# KiCad board JL-rev1.kicad_pcb (continued)
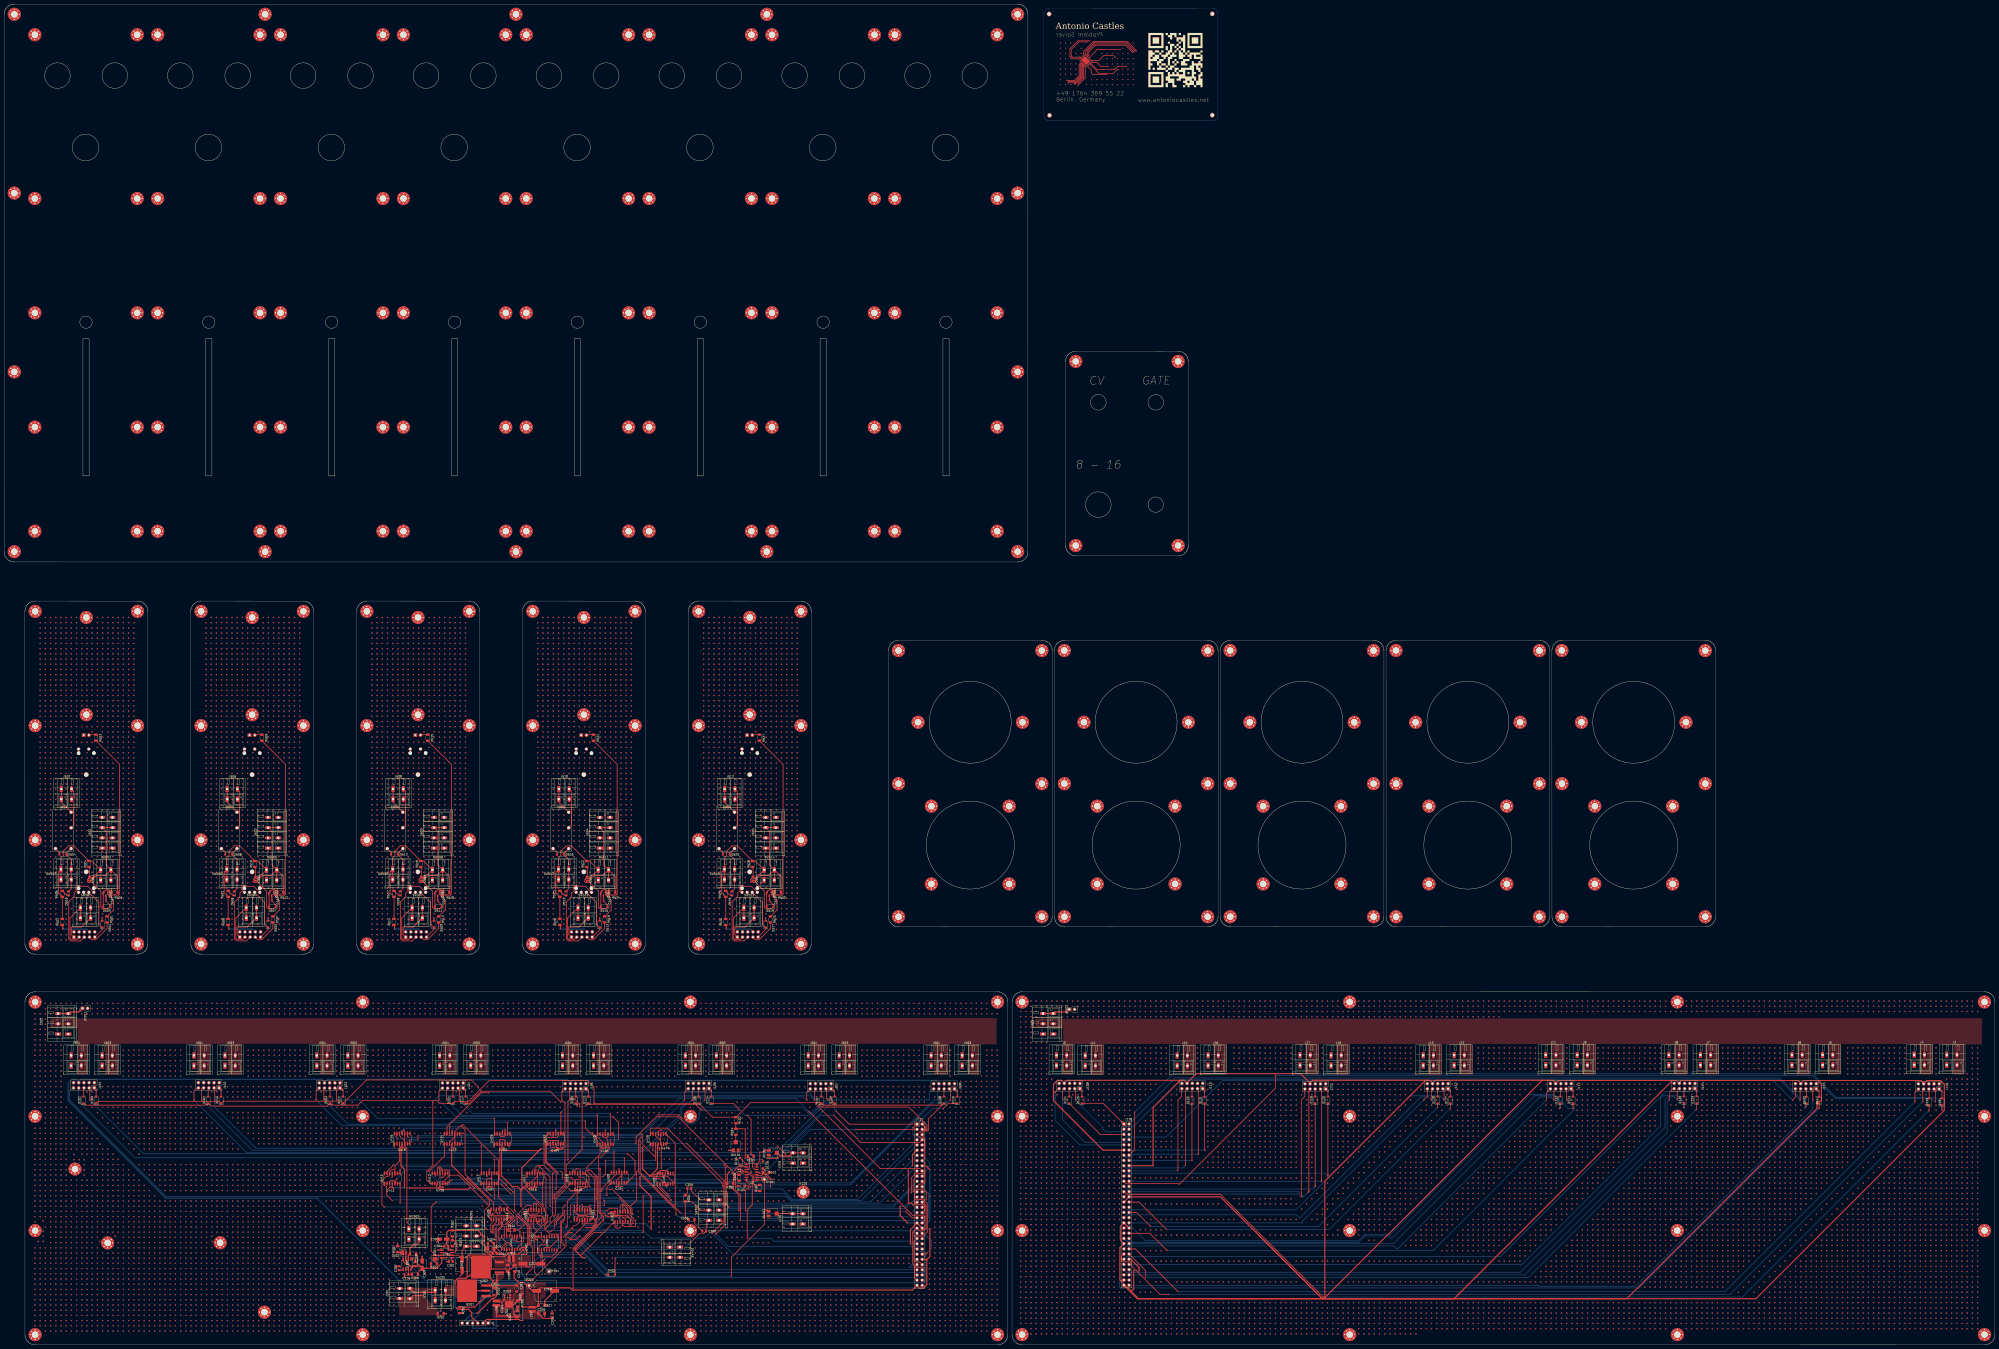
[diagram p0: board, top side]
## Routing (per net, layer and track width the routed paths; a pad name or vN(x,y) marks a point on that pad's centre or on a via; arc(x,y) is an arc through that point) (continued)
  vias: v2(15.09,161.74) v2(15.09,159.2) v2(15.09,156.66) v2(15.09,154.12) v2(15.09,151.58) v2(15.09,149.04) v2(15.09,146.5) v2(15.09,143.96) v2(15.09,141.42) v2(15.09,138.88) v2(15.09,136.34) v2(15.09,133.8) v2(15.09,131.26) v2(15.09,128.72) v2(15.09,126.18) v2(15.09,123.64) v2(15.09,121.1) v2(15.09,118.56) v2(15.09,116.02) v2(15.09,105.86) v2(15.09,103.32) v2(15.09,100.78) v2(15.09,98.24) v2(15.09,95.7) v2(15.09,93.16) v2(15.09,90.62) v2(15.09,88.08) v2(15.09,85.54) v2(15.09,83) v2(15.09,80.46) v2(15.09,77.92) v2(15.09,75.38) v2(15.09,72.84) v2(15.09,70.3) v2(15.09,67.76) v2(15.09,65.22) v2(15.09,62.68) v2(15.09,60.14) v2(15.09,47.44) v2(15.09,44.9) v2(15.09,42.36) v2(15.09,39.82) v2(15.09,37.28) v2(15.09,34.74) v2(15.09,32.2) v2(15.09,29.66) v2(15.09,27.12) v2(15.09,24.58) v2(15.09,22.04) v2(15.09,19.5) v2(15.09,16.96) v2(15.09,14.42) v2(15.09,11.88) v2(15.09,9.34) v2(17.63,161.74) v2(17.63,159.2) v2(17.63,156.66) v2(17.63,154.12) v2(17.63,151.58) v2(17.63,149.04) v2(17.63,146.5) v2(17.63,143.96) v2(17.63,141.42) v2(17.63,138.88) v2(17.63,136.34) v2(17.63,133.8) v2(17.63,131.26) v2(17.63,128.72) v2(17.63,126.18) v2(17.63,123.64) v2(17.63,121.1) v2(17.63,118.56) v2(17.63,116.02) v2(17.63,105.86) v2(17.63,103.32) v2(17.63,100.78) v2(17.63,98.24) v2(17.63,95.7) v2(17.63,93.16) v2(17.63,90.62) v2(17.63,88.08) v2(17.63,85.54) v2(17.63,83) v2(17.63,80.46) v2(17.63,77.92) v2(17.63,75.38) v2(17.63,72.84) v2(17.63,70.3) v2(17.63,67.76) v2(17.63,65.22) v2(17.63,62.68) v2(17.63,47.44) v2(17.63,44.9) v2(17.63,42.36) v2(17.63,39.82) v2(17.63,37.28) v2(17.63,34.74) v2(17.63,32.2) v2(17.63,29.66) v2(17.63,27.12) v2(17.63,24.58) v2(17.63,22.04) v2(17.63,19.5) v2(17.63,16.96) v2(17.63,14.42) v2(17.63,11.88) v2(17.63,9.34) v2(20.17,166.82) v2(20.17,164.28) v2(20.17,161.74) v2(20.17,159.2) v2(20.17,156.66) v2(20.17,154.12) v2(20.17,151.58) v2(20.17,149.04) v2(20.17,146.5) v2(20.17,143.96) v2(20.17,141.42) v2(20.17,138.88) v2(20.17,136.34) v2(20.17,133.8) v2(20.17,131.26) v2(20.17,128.72) v2(20.17,126.18) v2(20.17,123.64) v2(20.17,121.1) v2(20.17,118.56) v2(20.17,116.02) v2(20.17,113.48) v2(20.17,110.94) v2(20.17,108.4) v2(20.17,105.86) v2(20.17,103.32) v2(20.17,100.78) v2(20.17,98.24) v2(20.17,95.7) v2(20.17,93.16) v2(20.17,90.62) v2(20.17,88.08) v2(20.17,85.54) v2(20.17,83) v2(20.17,80.46) v2(20.17,77.92) v2(20.17,75.38) v2(20.17,72.84) v2(20.17,70.3) v2(20.17,67.76) v2(20.17,65.22) v2(20.17,62.68) v2(20.17,57.6) v2(20.17,47.44) v2(20.17,44.9) v2(20.17,42.36) v2(20.17,39.82) v2(20.17,37.28) v2(20.17,34.74) v2(20.17,32.2) v2(20.17,29.66) v2(20.17,27.12) v2(20.17,24.58) v2(20.17,22.04) v2(20.17,19.5) v2(20.17,16.96) v2(20.17,14.42) v2(20.17,11.88) v2(20.17,9.34) v2(20.17,6.8) v2(22.71,166.82) v2(22.71,164.28) v2(22.71,161.74) v2(22.71,146.5) v2(22.71,143.96) v2(22.71,141.42) v2(22.71,138.88) v2(22.71,136.34) v2(22.71,133.8) v2(22.71,131.26) v2(22.71,128.72) v2(22.71,126.18) v2(22.71,123.64) v2(22.71,121.1) v2(22.71,118.56) v2(22.71,116.02) v2(22.71,113.48) v2(22.71,110.94) v2(22.71,108.4) v2(22.71,105.86) v2(22.71,103.32) v2(22.71,100.78) v2(22.71,98.24) v2(22.71,95.7) v2(22.71,93.16) v2(22.71,90.62) v2(22.71,88.08) v2(22.71,85.54) v2(22.71,83) v2(22.71,80.46) v2(22.71,77.92) v2(22.71,75.38) v2(22.71,72.84) v2(22.71,70.3) v2(22.71,67.76) v2(22.71,65.22) v2(22.71,62.68) v2(22.71,60.14) v2(22.71,57.6) v2(22.71,55.06) v2(22.71,52.52) v2(22.71,49.98) v2(22.71,47.44) v2(22.71,44.9) v2(22.71,42.36) v2(22.71,39.82) v2(22.71,37.28) v2(22.71,34.74) v2(22.71,32.2) v2(22.71,29.66) v2(22.71,27.12) v2(22.71,24.58) v2(22.71,22.04) v2(22.71,19.5) v2(22.71,16.96) v2(22.71,14.42) v2(22.71,11.88) v2(22.71,9.34) v2(22.71,6.8) v2(25.25,166.82) v2(25.25,164.28) v2(25.25,146.5) v2(25.25,143.96) v2(25.25,141.42) v2(25.25,138.88) v2(25.25,136.34) v2(25.25,133.8) v2(25.25,131.26) v2(25.25,128.72) v2(25.25,126.18) v2(25.25,123.64) v2(25.25,121.1) v2(25.25,118.56) v2(25.25,116.02) v2(25.25,113.48) v2(25.25,110.94) v2(25.25,108.4) v2(25.25,105.86) v2(25.25,103.32) v2(25.25,100.78) v2(25.25,98.24) v2(25.25,95.7) v2(25.25,93.16) v2(25.25,90.62) v2(25.25,88.08) v2(25.25,85.54) v2(25.25,83) v2(25.25,80.46) v2(25.25,77.92) v2(25.25,75.38) v2(25.25,72.84) v2(25.25,70.3) v2(25.25,67.76) v2(25.25,65.22) v2(25.25,62.68) v2(25.25,60.14) v2(25.25,57.6) v2(25.25,55.06) v2(25.25,52.52) v2(25.25,49.98) v2(25.25,47.44) v2(25.25,44.9) v2(25.25,42.36) v2(25.25,39.82) v2(25.25,37.28) v2(25.25,34.74) v2(25.25,32.2) v2(25.25,29.66) v2(25.25,27.12) v2(25.25,24.58) v2(25.25,22.04) v2(25.25,19.5) v2(25.25,16.96) v2(25.25,14.42) v2(25.25,11.88) v2(25.25,9.34) v2(25.25,6.8) v2(27.79,166.82) v2(27.79,164.28) v2(27.79,146.5) v2(27.79,143.96) v2(27.79,141.42) v2(27.79,138.88) v2(27.79,136.34) v2(27.79,133.8) v2(27.79,131.26) v2(27.79,128.72) v2(27.79,126.18) v2(27.79,123.64) v2(27.79,121.1) v2(27.79,118.56) v2(27.79,116.02) v2(27.79,113.48) v2(27.79,110.94) v2(27.79,108.4) v2(27.79,105.86) v2(27.79,103.32) v2(27.79,100.78) v2(27.79,98.24) v2(27.79,95.7) v2(27.79,93.16) v2(27.79,90.62) v2(27.79,88.08) v2(27.79,85.54) v2(27.79,83) v2(27.79,80.46) v2(27.79,77.92) v2(27.79,75.38) v2(27.79,72.84) v2(27.79,70.3) v2(27.79,67.76) v2(27.79,65.22) v2(27.79,62.68) v2(27.79,60.14) v2(27.79,57.6) v2(27.79,55.06) v2(27.79,52.52) v2(27.79,49.98) v2(27.79,47.44) v2(27.79,44.9) v2(27.79,42.36) v2(27.79,39.82) v2(27.79,37.28) v2(27.79,34.74) v2(27.79,32.2) v2(27.79,29.66) v2(27.79,27.12) v2(27.79,24.58) v2(27.79,22.04) v2(27.79,19.5) v2(27.79,16.96) v2(27.79,14.42) v2(27.79,11.88) v2(27.79,9.34) v2(27.79,6.8) v2(30.33,166.82) v2(30.33,164.28) v2(30.33,116.02) v2(30.33,113.48) v2(30.33,110.94) v2(30.33,108.4) v2(30.33,105.86) v2(30.33,103.32) v2(30.33,100.78) v2(30.33,98.24) v2(30.33,95.7) v2(30.33,93.16) v2(30.33,90.62) v2(30.33,88.08) v2(30.33,85.54) v2(30.33,83) v2(30.33,80.46) v2(30.33,77.92) v2(30.33,75.38) v2(30.33,72.84) v2(30.33,70.3) v2(30.33,67.76) v2(30.33,65.22) v2(30.33,62.68) v2(30.33,60.14) v2(30.33,57.6) v2(30.33,55.06) v2(30.33,52.52) v2(30.33,49.98) v2(30.33,47.44) v2(30.33,44.9) v2(30.33,42.36) v2(30.33,39.82) v2(30.33,37.28) v2(30.33,34.74) v2(30.33,32.2) v2(30.33,29.66) v2(30.33,27.12) v2(30.33,24.58) v2(30.33,22.04) v2(30.33,19.5) v2(30.33,16.96) v2(30.33,14.42) v2(30.33,11.88) v2(30.33,9.34) v2(30.33,6.8) v2(32.87,166.82) v2(32.87,164.28) v2(32.87,113.48) v2(32.87,110.94) v2(32.87,108.4) v2(32.87,105.86) v2(32.87,103.32) v2(32.87,100.78) v2(32.87,98.24) v2(32.87,95.7) v2(32.87,80.46) v2(32.87,77.92) v2(32.87,75.38) v2(32.87,72.84) v2(32.87,70.3) v2(32.87,67.76) v2(32.87,65.22) v2(32.87,62.68) v2(32.87,60.14) v2(32.87,57.6) v2(32.87,55.06) v2(32.87,52.52) v2(32.87,49.98) v2(32.87,47.44) v2(32.87,44.9) v2(32.87,42.36) v2(32.87,39.82) v2(32.87,37.28) v2(32.87,34.74) v2(32.87,32.2) v2(32.87,29.66) v2(32.87,27.12) v2(32.87,24.58) v2(32.87,22.04) v2(32.87,19.5) v2(32.87,16.96) v2(32.87,14.42) v2(32.87,11.88) v2(32.87,9.34) v2(32.87,6.8) v2(35.41,166.82) v2(35.41,164.28) v2(35.41,110.94) v2(35.41,108.4) v2(35.41,105.86) v2(35.41,103.32) v2(35.41,100.78) v2(35.41,98.24) v2(35.41,95.7) v2(35.41,80.46) v2(35.41,77.92) v2(35.41,75.38) v2(35.41,72.84) v2(35.41,70.3) v2(35.41,67.76) v2(35.41,65.22) v2(35.41,62.68) v2(35.41,60.14) v2(35.41,57.6) v2(35.41,55.06) v2(35.41,52.52) v2(35.41,49.98) v2(35.41,47.44) v2(35.41,44.9) v2(35.41,42.36) v2(35.41,39.82) v2(35.41,37.28) v2(35.41,34.74) v2(35.41,32.2) v2(35.41,29.66) v2(35.41,27.12) v2(35.41,24.58) v2(35.41,22.04) v2(35.41,19.5) v2(35.41,16.96) v2(35.41,14.42) v2(35.41,11.88) v2(35.41,9.34) v2(35.41,6.8) v2(37.95,166.82) v2(37.95,161.74) v2(37.95,108.4) v2(37.95,105.86) v2(37.95,103.32) v2(37.95,100.78) v2(37.95,98.24) v2(37.95,95.7) v2(37.95,93.16) v2(37.95,80.46) v2(37.95,77.92) v2(37.95,75.38) v2(37.95,72.84) v2(37.95,70.3) v2(37.95,67.76) v2(37.95,65.22) v2(37.95,62.68) v2(37.95,60.14) v2(37.95,57.6) v2(37.95,55.06) v2(37.95,52.52) v2(37.95,49.98) v2(37.95,47.44) v2(37.95,44.9) v2(37.95,42.36) v2(37.95,39.82) v2(37.95,37.28) v2(37.95,34.74) v2(37.95,32.2) v2(37.95,29.66) v2(37.95,27.12) v2(37.95,24.58) v2(37.95,22.04) v2(37.95,19.5) v2(37.95,16.96) v2(37.95,14.42) v2(37.95,11.88) v2(37.95,9.34) v2(37.95,6.8) v2(40.49,166.82) v2(40.49,161.74) v2(40.49,123.64) v2(40.49,105.86) v2(40.49,103.32) v2(40.49,100.78) v2(40.49,98.24) v2(40.49,95.7) v2(40.49,93.16) v2(40.49,80.46) v2(40.49,77.92) v2(40.49,75.38) v2(40.49,72.84) v2(40.49,70.3) v2(40.49,67.76) v2(40.49,65.22) v2(40.49,62.68) v2(40.49,60.14) v2(40.49,57.6) v2(40.49,55.06) v2(40.49,52.52) v2(40.49,49.98) v2(40.49,47.44) v2(40.49,44.9) v2(40.49,42.36) v2(40.49,39.82) v2(40.49,37.28) v2(40.49,34.74) v2(40.49,32.2) v2(40.49,29.66) v2(40.49,27.12) v2(40.49,24.58) v2(40.49,22.04) v2(40.49,19.5) v2(40.49,16.96) v2(40.49,14.42) v2(40.49,11.88) v2(40.49,9.34) v2(40.49,6.8) v2(43.03,166.82) v2(43.03,164.28) v2(43.03,161.74) v2(43.03,123.64) v2(43.03,116.02) v2(43.03,103.32) v2(43.03,100.78) v2(43.03,98.24) v2(43.03,95.7) v2(43.03,93.16) v2(43.03,90.62) v2(43.03,88.08) v2(43.03,85.54) v2(43.03,83) v2(43.03,80.46) v2(43.03,77.92) v2(43.03,75.38) v2(43.03,72.84) v2(43.03,70.3) v2(43.03,67.76) v2(43.03,65.22) v2(43.03,62.68) v2(43.03,60.14) v2(43.03,57.6) v2(43.03,55.06) v2(43.03,52.52) v2(43.03,49.98) v2(43.03,47.44) v2(43.03,44.9) v2(43.03,42.36) v2(43.03,39.82) v2(43.03,37.28) v2(43.03,34.74) v2(43.03,32.2) v2(43.03,29.66) v2(43.03,27.12) v2(43.03,24.58) v2(43.03,22.04) v2(43.03,19.5) v2(43.03,16.96) v2(43.03,14.42) v2(43.03,11.88) v2(43.03,9.34) v2(43.03,6.8) v2(45.57,166.82) v2(45.57,164.28) v2(45.57,161.74) v2(45.57,113.48) v2(45.57,100.78) v2(45.57,95.7) v2(45.57,93.16) v2(45.57,90.62) v2(45.57,88.08) v2(45.57,85.54) v2(45.57,83) v2(45.57,80.46) v2(45.57,77.92) v2(45.57,75.38) v2(45.57,72.84) v2(45.57,70.3) v2(45.57,67.76) v2(45.57,65.22) v2(45.57,62.68) v2(45.57,60.14) v2(45.57,57.6) v2(45.57,55.06) v2(45.57,52.52) v2(45.57,47.44) v2(45.57,44.9) v2(45.57,42.36) v2(45.57,39.82) v2(45.57,37.28) v2(45.57,34.74) v2(45.57,32.2) v2(45.57,29.66) v2(45.57,27.12) v2(45.57,24.58) v2(45.57,22.04) v2(45.57,19.5) v2(45.57,16.96) v2(45.57,14.42) v2(45.57,11.88) v2(45.57,9.34) v2(45.57,6.8) v2(48.11,166.82) v2(48.11,164.28) v2(48.11,161.74) v2(48.11,126.18) v2(48.11,123.64) v2(48.11,121.1) v2(48.11,116.02) v2(48.11,110.94) v2(48.11,95.7) v2(48.11,93.16) v2(48.11,90.62) v2(48.11,88.08) v2(48.11,85.54) v2(48.11,83) v2(48.11,80.46) v2(48.11,77.92) v2(48.11,75.38) v2(48.11,72.84) v2(48.11,70.3) v2(48.11,67.76) v2(48.11,65.22) v2(48.11,62.68) v2(48.11,60.14) v2(48.11,57.6) v2(48.11,55.06) v2(48.11,44.9) v2(48.11,42.36) v2(48.11,39.82) v2(48.11,37.28) v2(48.11,34.74) v2(48.11,32.2) v2(48.11,29.66) v2(48.11,27.12) v2(48.11,24.58) v2(48.11,22.04) v2(48.11,19.5) v2(48.11,16.96) v2(48.11,14.42) v2(48.11,11.88) v2(48.11,9.34) v2(48.11,6.8) v2(50.65,166.82) v2(50.65,164.28) v2(50.65,161.74) v2(50.65,126.18) v2(50.65,123.64) v2(50.65,121.1) v2(50.65,116.02) v2(50.65,113.48) v2(50.65,108.4) v2(50.65,95.7) v2(50.65,93.16) v2(50.65,90.62) v2(50.65,88.08) v2(50.65,85.54) v2(50.65,83) v2(50.65,80.46) v2(50.65,77.92) v2(50.65,75.38) v2(50.65,72.84) v2(50.65,70.3) v2(50.65,67.76) v2(50.65,65.22) v2(50.65,62.68) v2(50.65,60.14) v2(50.65,57.6) v2(50.65,55.06) v2(50.65,44.9) v2(50.65,42.36) v2(50.65,39.82) v2(50.65,37.28) v2(50.65,34.74) v2(50.65,32.2) v2(50.65,29.66) v2(50.65,27.12) v2(50.65,24.58) v2(50.65,22.04) v2(50.65,19.5) v2(50.65,16.96) v2(50.65,14.42) v2(50.65,11.88) v2(50.65,9.34) v2(50.65,6.8) v2(53.19,166.82) v2(53.19,164.28) v2(53.19,161.74) v2(53.19,126.18) v2(53.19,123.64) v2(53.19,121.1) v2(53.19,116.02) v2(53.19,113.48) v2(53.19,110.94) v2(53.19,105.86) v2(53.19,93.16) v2(53.19,90.62) v2(53.19,88.08) v2(53.19,85.54) v2(53.19,83) v2(53.19,80.46) v2(53.19,77.92) v2(53.19,75.38) v2(53.19,72.84) v2(53.19,70.3) v2(53.19,67.76) v2(53.19,65.22) v2(53.19,62.68) v2(53.19,60.14) v2(53.19,57.6) v2(53.19,55.06) v2(53.19,44.9) v2(53.19,42.36) v2(53.19,39.82) v2(53.19,37.28) v2(53.19,34.74) v2(53.19,32.2) v2(53.19,29.66) v2(53.19,27.12) v2(53.19,24.58) v2(53.19,22.04) v2(53.19,19.5) v2(53.19,16.96) v2(53.19,14.42) v2(53.19,11.88) v2(53.19,9.34) v2(53.19,6.8) v2(55.73,166.82) v2(55.73,164.28) v2(55.73,161.74) v2(55.73,126.18) v2(55.73,123.64) v2(55.73,121.1) v2(55.73,116.02) v2(55.73,113.48) v2(55.73,110.94) v2(55.73,108.4) v2(55.73,103.32) v2(55.73,90.62) v2(55.73,88.08) v2(55.73,85.54) v2(55.73,83) v2(55.73,80.46) v2(55.73,77.92) v2(55.73,75.38) v2(55.73,72.84) v2(55.73,70.3) v2(55.73,67.76) v2(55.73,65.22) v2(55.73,62.68) v2(55.73,60.14) v2(55.73,57.6) v2(55.73,55.06) v2(55.73,49.98) v2(55.73,47.44) v2(55.73,44.9) v2(55.73,42.36) v2(55.73,39.82) v2(55.73,37.28) v2(55.73,34.74) v2(55.73,32.2) v2(55.73,29.66) v2(55.73,27.12) v2(55.73,24.58) v2(55.73,22.04) v2(55.73,19.5) v2(55.73,16.96) v2(55.73,14.42) v2(55.73,11.88) v2(55.73,9.34) v2(55.73,6.8) v2(58.27,166.82) v2(58.27,164.28) v2(58.27,161.74) v2(58.27,143.96) v2(58.27,141.42) v2(58.27,138.88) v2(58.27,136.34) v2(58.27,133.8) v2(58.27,131.26) v2(58.27,126.18) v2(58.27,123.64) v2(58.27,121.1) v2(58.27,116.02) v2(58.27,113.48) v2(58.27,110.94) v2(58.27,108.4) v2(58.27,105.86) v2(58.27,100.78) v2(58.27,88.08) v2(58.27,85.54) v2(58.27,83) v2(58.27,80.46) v2(58.27,77.92) v2(58.27,75.38) v2(58.27,72.84) v2(58.27,70.3) v2(58.27,67.76) v2(58.27,65.22) v2(58.27,62.68) v2(58.27,60.14) v2(58.27,57.6) v2(58.27,55.06) v2(58.27,52.52) v2(58.27,49.98) v2(58.27,47.44) v2(58.27,44.9) v2(58.27,42.36) v2(58.27,39.82) v2(58.27,37.28) v2(58.27,34.74) v2(58.27,32.2) v2(58.27,29.66) v2(58.27,27.12) v2(58.27,24.58) v2(58.27,22.04) v2(58.27,19.5) v2(58.27,16.96) v2(58.27,14.42) v2(58.27,11.88) v2(58.27,9.34) v2(58.27,6.8) v2(60.81,166.82) v2(60.81,164.28) v2(60.81,161.74) v2(60.81,143.96) v2(60.81,141.42) v2(60.81,138.88) v2(60.81,136.34) v2(60.81,133.8) v2(60.81,131.26) v2(60.81,126.18) v2(60.81,123.64) v2(60.81,121.1) v2(60.81,116.02) v2(60.81,113.48) v2(60.81,110.94) v2(60.81,108.4) v2(60.81,105.86) v2(60.81,103.32) v2(60.81,98.24) v2(60.81,85.54) v2(60.81,83) v2(60.81,80.46) v2(60.81,77.92) v2(60.81,75.38) v2(60.81,72.84) v2(60.81,70.3) v2(60.81,67.76) v2(60.81,65.22) v2(60.81,62.68) v2(60.81,60.14) v2(60.81,57.6) v2(60.81,55.06) v2(60.81,52.52) v2(60.81,49.98) v2(60.81,47.44) v2(60.81,44.9) v2(60.81,42.36) v2(60.81,39.82) v2(60.81,37.28) v2(60.81,34.74) v2(60.81,32.2) v2(60.81,29.66) v2(60.81,27.12) v2(60.81,24.58) v2(60.81,22.04) v2(60.81,19.5) v2(60.81,16.96) v2(60.81,14.42) v2(60.81,11.88) v2(60.81,9.34) v2(60.81,6.8) v2(63.35,166.82) v2(63.35,164.28) v2(63.35,161.74) v2(63.35,143.96) v2(63.35,141.42) v2(63.35,138.88) v2(63.35,136.34) v2(63.35,133.8) v2(63.35,131.26) v2(63.35,126.18) v2(63.35,123.64) v2(63.35,121.1) v2(63.35,116.02) v2(63.35,113.48) v2(63.35,110.94) v2(63.35,108.4) v2(63.35,105.86) v2(63.35,103.32) v2(63.35,100.78) v2(63.35,95.7) v2(63.35,83) v2(63.35,80.46) v2(63.35,77.92) v2(63.35,75.38) v2(63.35,72.84) v2(63.35,70.3) v2(63.35,67.76) v2(63.35,65.22) v2(63.35,62.68) v2(63.35,60.14) v2(63.35,57.6) v2(63.35,55.06) v2(63.35,52.52) v2(63.35,49.98) v2(63.35,47.44) v2(63.35,44.9) v2(63.35,42.36) v2(63.35,39.82) v2(63.35,37.28) v2(63.35,34.74) v2(63.35,32.2) v2(63.35,29.66) v2(63.35,27.12) v2(63.35,24.58) v2(63.35,22.04) v2(63.35,19.5) v2(63.35,16.96) v2(63.35,14.42) v2(63.35,11.88) v2(63.35,9.34) v2(63.35,6.8) v2(65.89,166.82) v2(65.89,164.28) v2(65.89,161.74) v2(65.89,143.96) v2(65.89,141.42) v2(65.89,138.88) v2(65.89,136.34) v2(65.89,133.8) v2(65.89,131.26) v2(65.89,126.18) v2(65.89,123.64) v2(65.89,121.1) v2(65.89,116.02) v2(65.89,113.48) v2(65.89,110.94) v2(65.89,108.4) v2(65.89,105.86) v2(65.89,103.32) v2(65.89,100.78) v2(65.89,98.24) v2(65.89,93.16) v2(65.89,88.08) v2(65.89,80.46) v2(65.89,77.92) v2(65.89,75.38) v2(65.89,72.84) v2(65.89,70.3) v2(65.89,67.76) v2(65.89,65.22) v2(65.89,62.68) v2(65.89,60.14) v2(65.89,57.6) v2(65.89,55.06) v2(65.89,52.52) v2(65.89,49.98) v2(65.89,47.44) v2(65.89,44.9) v2(65.89,42.36) v2(65.89,39.82) v2(65.89,37.28) v2(65.89,34.74) v2(65.89,32.2) v2(65.89,29.66) v2(65.89,27.12) v2(65.89,24.58) v2(65.89,22.04) v2(65.89,19.5) v2(65.89,16.96) v2(65.89,14.42) v2(65.89,11.88) v2(65.89,9.34) v2(65.89,6.8) v2(68.43,166.82) v2(68.43,164.28) v2(68.43,161.74) v2(68.43,143.96) v2(68.43,141.42) v2(68.43,138.88) v2(68.43,136.34) v2(68.43,133.8) v2(68.43,131.26) v2(68.43,126.18) v2(68.43,123.64) v2(68.43,121.1) v2(68.43,116.02) v2(68.43,113.48) v2(68.43,110.94) v2(68.43,108.4) v2(68.43,105.86) v2(68.43,103.32) v2(68.43,100.78) v2(68.43,98.24) v2(68.43,95.7) v2(68.43,88.08) v2(68.43,85.54) v2(68.43,77.92) v2(68.43,75.38) v2(68.43,72.84) v2(68.43,70.3) v2(68.43,67.76) v2(68.43,65.22) v2(68.43,62.68) v2(68.43,60.14) v2(68.43,57.6) v2(68.43,55.06) v2(68.43,52.52) v2(68.43,49.98) v2(68.43,47.44) v2(68.43,44.9) v2(68.43,42.36) v2(68.43,39.82) v2(68.43,37.28) v2(68.43,34.74) v2(68.43,32.2) v2(68.43,29.66) v2(68.43,27.12) v2(68.43,24.58) v2(68.43,22.04) v2(68.43,19.5) v2(68.43,16.96) v2(68.43,14.42) v2(68.43,11.88) v2(68.43,9.34) v2(68.43,6.8) v2(70.97,166.82) v2(70.97,164.28) v2(70.97,161.74) v2(70.97,143.96) v2(70.97,141.42) v2(70.97,138.88) v2(70.97,136.34) v2(70.97,133.8) v2(70.97,131.26) v2(70.97,126.18) v2(70.97,123.64) v2(70.97,121.1) v2(70.97,116.02) v2(70.97,113.48) v2(70.97,110.94) v2(70.97,108.4) v2(70.97,105.86) v2(70.97,103.32) v2(70.97,100.78) v2(70.97,98.24) v2(70.97,95.7) v2(70.97,88.08) v2(70.97,85.54) v2(70.97,83) v2(70.97,75.38) v2(70.97,72.84) v2(70.97,70.3) v2(70.97,67.76) v2(70.97,65.22) v2(70.97,62.68) v2(70.97,60.14) v2(70.97,57.6) v2(70.97,55.06) v2(70.97,52.52) v2(70.97,49.98) v2(70.97,47.44) v2(70.97,44.9) v2(70.97,42.36) v2(70.97,39.82) v2(70.97,37.28) v2(70.97,34.74) v2(70.97,32.2) v2(70.97,29.66) v2(70.97,27.12) v2(70.97,24.58) v2(70.97,22.04) v2(70.97,19.5) v2(70.97,16.96) v2(70.97,14.42) v2(70.97,11.88) v2(70.97,9.34) v2(70.97,6.8) v2(73.51,166.82) v2(73.51,164.28) v2(73.51,161.74) v2(73.51,143.96) v2(73.51,141.42) v2(73.51,138.88) v2(73.51,136.34) v2(73.51,133.8) v2(73.51,131.26) v2(73.51,126.18) v2(73.51,123.64) v2(73.51,121.1) v2(73.51,116.02) v2(73.51,113.48) v2(73.51,110.94) v2(73.51,108.4) v2(73.51,105.86) v2(73.51,103.32) v2(73.51,100.78) v2(73.51,98.24) v2(73.51,95.7) v2(73.51,88.08) v2(73.51,85.54) v2(73.51,83) v2(73.51,80.46) v2(73.51,72.84) v2(73.51,70.3) v2(73.51,67.76) v2(73.51,65.22) v2(73.51,62.68) v2(73.51,60.14) v2(73.51,57.6) v2(73.51,55.06) v2(73.51,52.52) v2(73.51,49.98) v2(73.51,47.44) v2(73.51,44.9) v2(73.51,42.36) v2(73.51,39.82) v2(73.51,37.28) v2(73.51,34.74) v2(73.51,32.2) v2(73.51,29.66) v2(73.51,27.12) v2(73.51,24.58) v2(73.51,22.04) v2(73.51,19.5) v2(73.51,16.96) v2(73.51,14.42) v2(73.51,11.88) v2(73.51,9.34) v2(73.51,6.8) v2(76.05,166.82) v2(76.05,164.28) v2(76.05,161.74) v2(76.05,143.96) v2(76.05,141.42) v2(76.05,138.88) v2(76.05,136.34) v2(76.05,133.8) v2(76.05,131.26) v2(76.05,126.18) v2(76.05,123.64) v2(76.05,121.1) v2(76.05,116.02) v2(76.05,113.48) v2(76.05,110.94) v2(76.05,108.4) v2(76.05,105.86) v2(76.05,103.32) v2(76.05,100.78) v2(76.05,98.24) v2(76.05,95.7) v2(76.05,88.08) v2(76.05,85.54) v2(76.05,83) v2(76.05,80.46) v2(76.05,77.92) v2(76.05,70.3) v2(76.05,67.76) v2(76.05,65.22) v2(76.05,62.68) v2(76.05,60.14) v2(76.05,57.6) v2(76.05,55.06) v2(76.05,52.52) v2(76.05,49.98) v2(76.05,47.44) v2(76.05,44.9) v2(76.05,42.36) v2(76.05,39.82) v2(76.05,37.28) v2(76.05,34.74) v2(76.05,32.2) v2(76.05,29.66) v2(76.05,27.12) v2(76.05,24.58) v2(76.05,22.04) v2(76.05,19.5) v2(76.05,16.96) v2(76.05,14.42) v2(76.05,11.88) v2(76.05,9.34) v2(76.05,6.8) v2(78.59,166.82) v2(78.59,164.28) v2(78.59,161.74) v2(78.59,143.96) v2(78.59,141.42) v2(78.59,138.88) v2(78.59,136.34) v2(78.59,133.8) v2(78.59,131.26) v2(78.59,126.18) v2(78.59,123.64) v2(78.59,121.1) v2(78.59,116.02) v2(78.59,113.48) v2(78.59,110.94) v2(78.59,108.4) v2(78.59,105.86) v2(78.59,103.32) v2(78.59,100.78) v2(78.59,98.24) v2(78.59,95.7) v2(78.59,88.08) v2(78.59,85.54) v2(78.59,83) v2(78.59,80.46) v2(78.59,77.92) v2(78.59,75.38) v2(78.59,70.3) v2(78.59,67.76) v2(78.59,65.22) v2(78.59,62.68) v2(78.59,60.14) v2(78.59,57.6) v2(78.59,55.06) v2(78.59,52.52) v2(78.59,49.98) 